# KiCad board eurocard mux.kicad_pcb
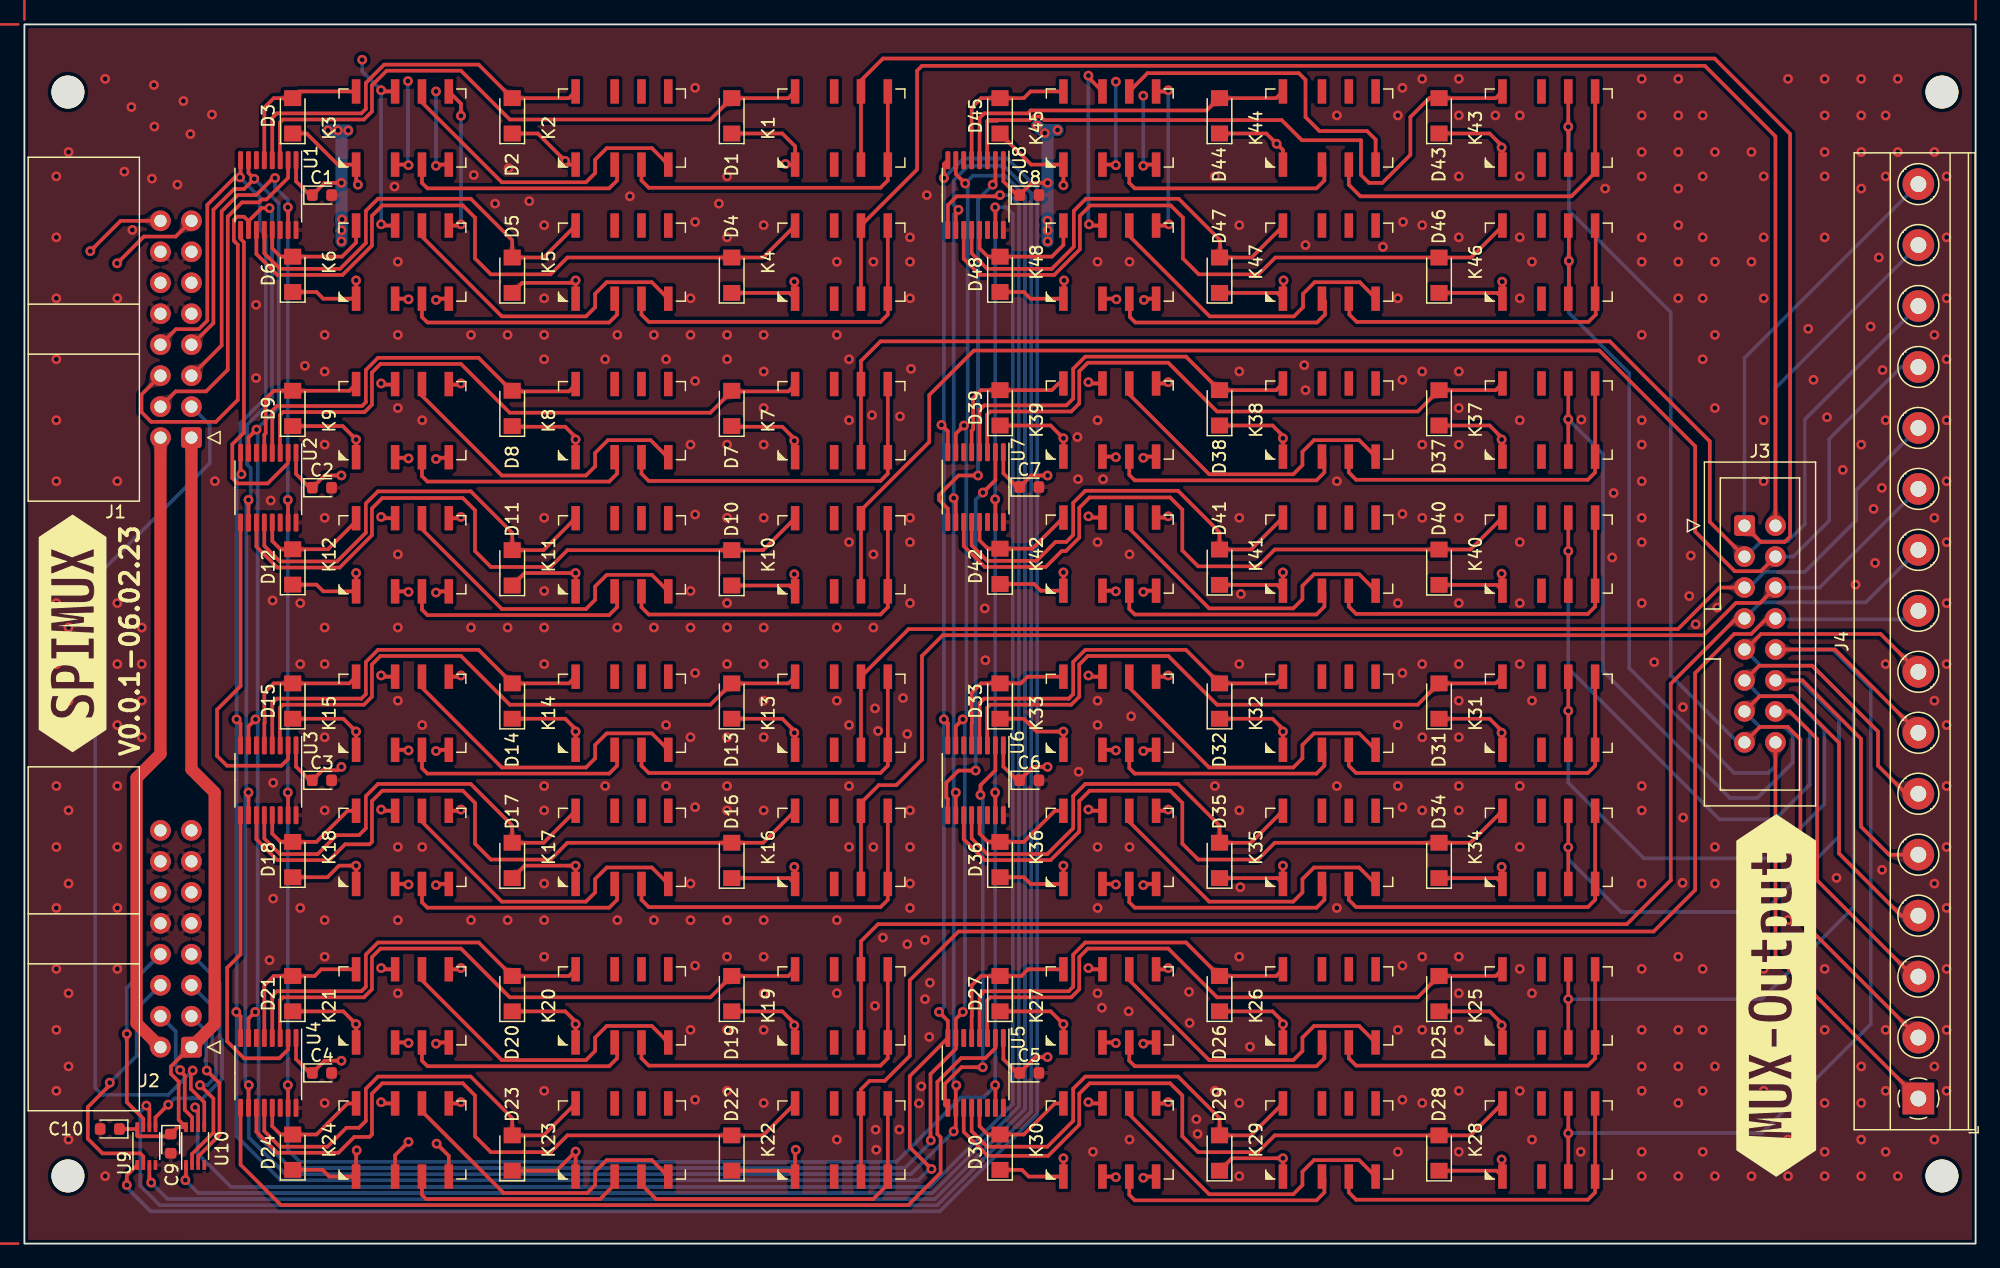
[diagram p0: board, top side]
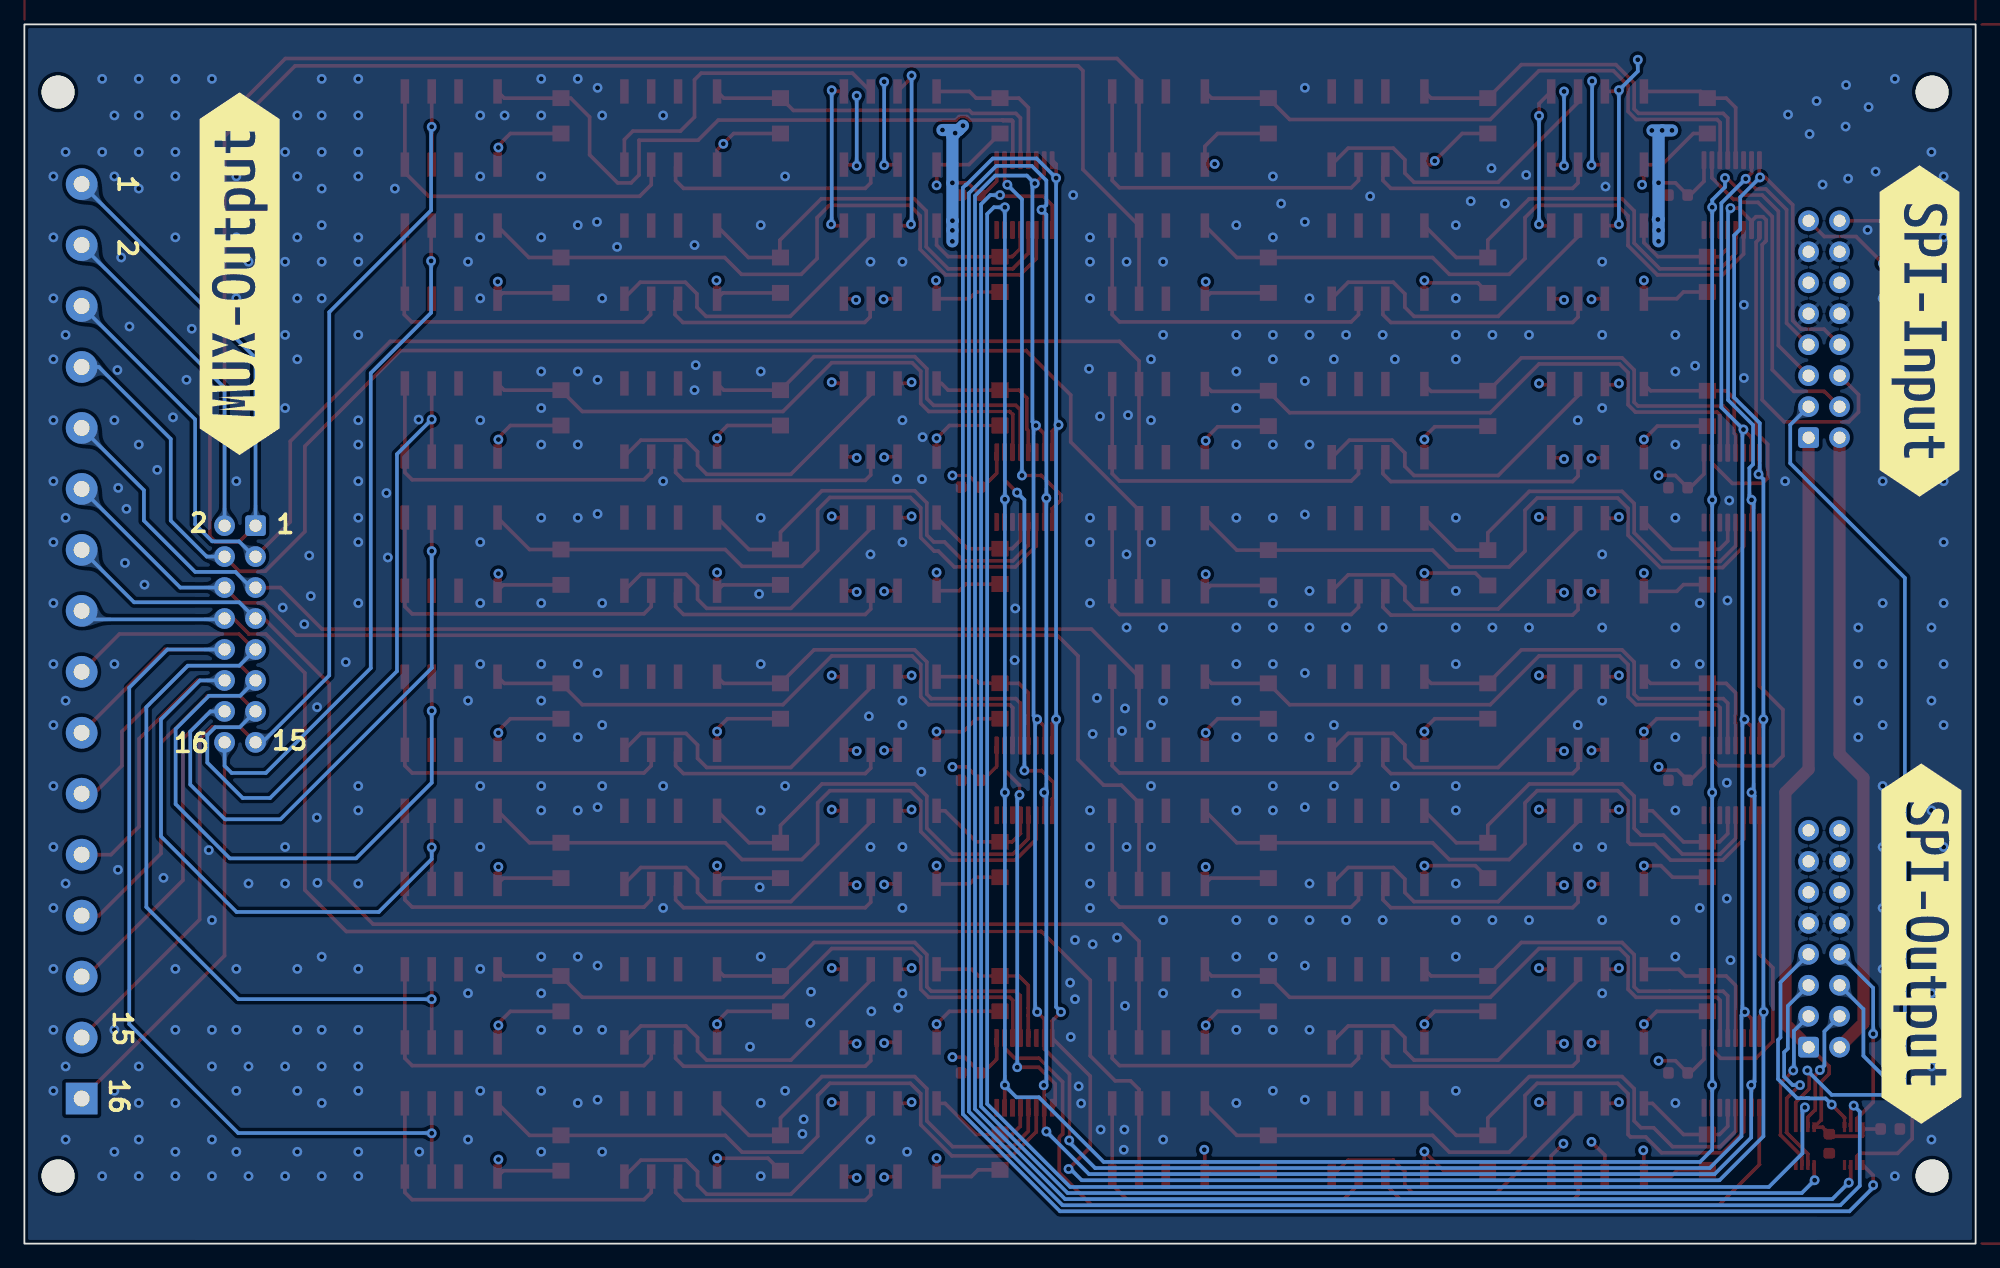
[diagram p1: board, bottom side, seen from below]

Outline 160 x 100 mm; copper layers: Top, In1.Cu, In2.Cu, Bottom. Coordinates in mm from the lower left corner of the outline.
Outline path: rectangle 0,100 160,0
Stack: Top 0.035mm / dielectric 0.48mm FR4 er 4.5 / In1.Cu 0.035mm / dielectric 0.48mm FR4 er 4.5 / In2.Cu 0.035mm / dielectric 0.48mm FR4 er 4.5 / Bottom 0.035mm

## Placement (name value [footprint] x y rotation side)
C1  0.1uF  [D_0603_1608Metric]  24.4 86 0 top
C2  0.1uF  [D_0603_1608Metric]  24.4 62 0 top
C3  0.1uF  [D_0603_1608Metric]  24.4 38 0 top
C4  0.1uF  [D_0603_1608Metric]  24.4 14 0 top
C5  0.1uF  [D_0603_1608Metric]  82.4 14 0 top
C6  0.1uF  [D_0603_1608Metric]  82.4 38 0 top
C7  0.1uF  [D_0603_1608Metric]  82.4 62.05 0 top
C8  0.1uF  [D_0603_1608Metric]  82.4 86 0 top
C9  0.1uF  [D_0603_1608Metric]  12 8.2 270 top
C10  0.1uF  [D_0603_1608Metric]  7 9.4 180 top
D1  DO-219AB  [D_SMF]  58 92.5 90 top
D2  DO-219AB  [D_SMF]  40 92.5 90 top
D3  DO-219AB  [D_SMF]  22 92.5 90 top
D4  DO-219AB  [D_SMF]  58 79.43 90 top
D5  DO-219AB  [D_SMF]  40 79.43 90 top
D6  DO-219AB  [D_SMF]  22 79.5 90 top
D7  DO-219AB  [D_SMF]  58 68.5 90 top
D8  DO-219AB  [D_SMF]  40 68.5 90 top
D9  DO-219AB  [D_SMF]  22 68.5 90 top
D10  DO-219AB  [D_SMF]  58 55.43 90 top
D11  DO-219AB  [D_SMF]  40 55.43 90 top
D12  DO-219AB  [D_SMF]  22 55.5 90 top
D13  DO-219AB  [D_SMF]  58 44.5 90 top
D14  DO-219AB  [D_SMF]  40 44.5 90 top
D15  DO-219AB  [D_SMF]  22 44.5 90 top
D16  DO-219AB  [D_SMF]  58 31.43 90 top
D17  DO-219AB  [D_SMF]  40 31.43 90 top
D18  DO-219AB  [D_SMF]  22 31.5 90 top
D19  DO-219AB  [D_SMF]  58 20.5 90 top
D20  DO-219AB  [D_SMF]  40 20.5 90 top
D21  DO-219AB  [D_SMF]  22 20.5 90 top
D22  DO-219AB  [D_SMF]  58 7.43 90 top
D23  DO-219AB  [D_SMF]  40 7.43 90 top
D24  DO-219AB  [D_SMF]  22 7.5 90 top
D25  DO-219AB  [D_SMF]  116 20.5 90 top
D26  DO-219AB  [D_SMF]  98 20.5 90 top
D27  DO-219AB  [D_SMF]  80 20.5 90 top
D28  DO-219AB  [D_SMF]  116 7.43 90 top
D29  DO-219AB  [D_SMF]  98 7.43 90 top
D30  DO-219AB  [D_SMF]  80 7.5 90 top
D31  DO-219AB  [D_SMF]  116 44.5 90 top
D32  DO-219AB  [D_SMF]  98 44.5 90 top
D33  DO-219AB  [D_SMF]  80 44.5 90 top
D34  DO-219AB  [D_SMF]  116 31.43 90 top
D35  DO-219AB  [D_SMF]  98 31.43 90 top
D36  DO-219AB  [D_SMF]  80 31.5 90 top
D37  DO-219AB  [D_SMF]  116 68.55 90 top
D38  DO-219AB  [D_SMF]  98 68.55 90 top
D39  DO-219AB  [D_SMF]  80 68.55 90 top
D40  DO-219AB  [D_SMF]  116 55.48 90 top
D41  DO-219AB  [D_SMF]  98 55.48 90 top
D42  DO-219AB  [D_SMF]  80 55.55 90 top
D43  DO-219AB  [D_SMF]  116 92.5 90 top
D44  DO-219AB  [D_SMF]  98 92.5 90 top
D45  DO-219AB  [D_SMF]  80 92.5 90 top
D46  DO-219AB  [D_SMF]  116 79.43 90 top
D47  DO-219AB  [D_SMF]  98 79.43 90 top
D48  DO-219AB  [D_SMF]  80 79.5 90 top
J1  Conn_01x16  [IDC-Header_2x08_P2.54mm_Horizontal]  13.7 66.11 180 top
J2  Conn_01x16  [IDC-Header_2x08_P2.54mm_Horizontal]  13.7 16.11 180 top
J3  Conn_01x16  [IDC-Header_2x08_P2.54mm_Vertical]  141.05 58.89 0 top
J4  Screw_Terminal_01x16  [TerminalBlock_Phoenix_MKDS-1,5-16_1x16_P5.00mm_Horizontal]  155.31 11.9 90 top
K1  AGQ200S12Z  [Relay_2P2T_10x6mm_TE_IMxxG]  67 91.5 90 top
K2  AGQ200S12Z  [Relay_2P2T_10x6mm_TE_IMxxG]  49 91.5 90 top
K3  AGQ200S12Z  [Relay_2P2T_10x6mm_TE_IMxxG]  31 91.5 90 top
K4  AGQ200S12Z  [Relay_2P2T_10x6mm_TE_IMxxG]  67 80.5 90 top
K5  AGQ200S12Z  [Relay_2P2T_10x6mm_TE_IMxxG]  49 80.5 90 top
K6  AGQ200S12Z  [Relay_2P2T_10x6mm_TE_IMxxG]  31 80.5 90 top
K7  AGQ200S12Z  [Relay_2P2T_10x6mm_TE_IMxxG]  67 67.5 90 top
K8  AGQ200S12Z  [Relay_2P2T_10x6mm_TE_IMxxG]  49 67.5 90 top
K9  AGQ200S12Z  [Relay_2P2T_10x6mm_TE_IMxxG]  31 67.5 90 top
K10  AGQ200S12Z  [Relay_2P2T_10x6mm_TE_IMxxG]  67 56.5 90 top
K11  AGQ200S12Z  [Relay_2P2T_10x6mm_TE_IMxxG]  49 56.5 90 top
K12  AGQ200S12Z  [Relay_2P2T_10x6mm_TE_IMxxG]  31 56.5 90 top
K13  AGQ200S12Z  [Relay_2P2T_10x6mm_TE_IMxxG]  67 43.5 90 top
K14  AGQ200S12Z  [Relay_2P2T_10x6mm_TE_IMxxG]  49 43.5 90 top
K15  AGQ200S12Z  [Relay_2P2T_10x6mm_TE_IMxxG]  31 43.5 90 top
K16  AGQ200S12Z  [Relay_2P2T_10x6mm_TE_IMxxG]  67 32.5 90 top
K17  AGQ200S12Z  [Relay_2P2T_10x6mm_TE_IMxxG]  49 32.5 90 top
K18  AGQ200S12Z  [Relay_2P2T_10x6mm_TE_IMxxG]  31 32.5 90 top
K19  AGQ200S12Z  [Relay_2P2T_10x6mm_TE_IMxxG]  67 19.5 90 top
K20  AGQ200S12Z  [Relay_2P2T_10x6mm_TE_IMxxG]  49 19.5 90 top
K21  AGQ200S12Z  [Relay_2P2T_10x6mm_TE_IMxxG]  31 19.5 90 top
K22  AGQ200S12Z  [Relay_2P2T_10x6mm_TE_IMxxG]  67 8.5 90 top
K23  AGQ200S12Z  [Relay_2P2T_10x6mm_TE_IMxxG]  49 8.5 90 top
K24  AGQ200S12Z  [Relay_2P2T_10x6mm_TE_IMxxG]  31 8.5 90 top
K25  AGQ200S12Z  [Relay_2P2T_10x6mm_TE_IMxxG]  125 19.5 90 top
K26  AGQ200S12Z  [Relay_2P2T_10x6mm_TE_IMxxG]  107 19.5 90 top
K27  AGQ200S12Z  [Relay_2P2T_10x6mm_TE_IMxxG]  89 19.5 90 top
K28  AGQ200S12Z  [Relay_2P2T_10x6mm_TE_IMxxG]  125 8.5 90 top
K29  AGQ200S12Z  [Relay_2P2T_10x6mm_TE_IMxxG]  107 8.5 90 top
K30  AGQ200S12Z  [Relay_2P2T_10x6mm_TE_IMxxG]  89 8.5 90 top
K31  AGQ200S12Z  [Relay_2P2T_10x6mm_TE_IMxxG]  125 43.5 90 top
K32  AGQ200S12Z  [Relay_2P2T_10x6mm_TE_IMxxG]  107 43.5 90 top
K33  AGQ200S12Z  [Relay_2P2T_10x6mm_TE_IMxxG]  89 43.5 90 top
K34  AGQ200S12Z  [Relay_2P2T_10x6mm_TE_IMxxG]  125 32.5 90 top
K35  AGQ200S12Z  [Relay_2P2T_10x6mm_TE_IMxxG]  107 32.5 90 top
K36  AGQ200S12Z  [Relay_2P2T_10x6mm_TE_IMxxG]  89 32.5 90 top
K37  AGQ200S12Z  [Relay_2P2T_10x6mm_TE_IMxxG]  125 67.55 90 top
K38  AGQ200S12Z  [Relay_2P2T_10x6mm_TE_IMxxG]  107 67.55 90 top
K39  AGQ200S12Z  [Relay_2P2T_10x6mm_TE_IMxxG]  89 67.55 90 top
K40  AGQ200S12Z  [Relay_2P2T_10x6mm_TE_IMxxG]  125 56.55 90 top
K41  AGQ200S12Z  [Relay_2P2T_10x6mm_TE_IMxxG]  107 56.55 90 top
K42  AGQ200S12Z  [Relay_2P2T_10x6mm_TE_IMxxG]  89 56.55 90 top
K43  AGQ200S12Z  [Relay_2P2T_10x6mm_TE_IMxxG]  125 91.5 90 top
K44  AGQ200S12Z  [Relay_2P2T_10x6mm_TE_IMxxG]  107 91.5 90 top
K45  AGQ200S12Z  [Relay_2P2T_10x6mm_TE_IMxxG]  89 91.5 90 top
K46  AGQ200S12Z  [Relay_2P2T_10x6mm_TE_IMxxG]  125 80.5 90 top
K47  AGQ200S12Z  [Relay_2P2T_10x6mm_TE_IMxxG]  107 80.5 90 top
K48  AGQ200S12Z  [Relay_2P2T_10x6mm_TE_IMxxG]  89 80.5 90 top
kibuzzard-63E10DA0  G***  [kibuzzard-63E10DA0]  3.95 50.05 90 top
kibuzzard-63E10DF9  G***  [kibuzzard-63E10DF9]  143.65 20.35 90 top
kibuzzard-63E10DF9#2  G***  [kibuzzard-63E10DF9]  142.35 79.55 90 bottom
kibuzzard-63E10E6D  G***  [kibuzzard-63E10E6D]  4.45 24.6 270 bottom
kibuzzard-63E252FE  G***  [kibuzzard-63E252FE]  4.6 74.85 270 bottom
MH1  -  [MountingHole_2.7mm_M2.5_DIN965]  3.57 94.45 0 top
MH2  -  [MountingHole_2.7mm_M2.5_DIN965]  3.57 5.55 0 top
MH3  -  [MountingHole_2.7mm_M2.5_DIN965]  157.24 94.45 0 top
MH4  -  [MountingHole_2.7mm_M2.5_DIN965]  157.24 5.55 0 top
U1  TPIC6C596  [TSSOP-16_4.4x5mm_P0.65mm]  20 86 270 top
U2  TPIC6C596  [TSSOP-16_4.4x5mm_P0.65mm]  20 62 270 top
U3  TPIC6C596  [TSSOP-16_4.4x5mm_P0.65mm]  20 38 270 top
U4  TPIC6C596  [TSSOP-16_4.4x5mm_P0.65mm]  20 14 270 top
U5  TPIC6C596  [TSSOP-16_4.4x5mm_P0.65mm]  78 14 270 top
U6  TPIC6C596  [TSSOP-16_4.4x5mm_P0.65mm]  78 38 270 top
U7  TPIC6C596  [TSSOP-16_4.4x5mm_P0.65mm]  78 62.05 270 top
U8  TPIC6C596  [TSSOP-16_4.4x5mm_P0.65mm]  78 86 270 top
U9  SN74LVC3G34DCUR  [VSSOP-8_2.3x2mm_P0.5mm]  10 8 90 top
U10  SN74LVC3G34DCUR  [VSSOP-8_2.3x2mm_P0.5mm]  14 8 90 top

## Library data of the parts
C1-C10 = -: Digikey: CL10B104KB8NFNC; LCSC Part #: CL10B104KB8NFNC
D1-D48 = -: Digikey: S1FLM-GS18; LCSC Part #: S1FLM-GS18
J1-J3 = -: Digikey: 3020-16-0200-00; LCSC Part #: 3020-16-0200-00
J4 = -: Digikey: TB003-500-P16BE; LCSC Part #: TB003-500-P16BE
U1-U8 = -: Digikey: TPIC6C596PWR; LCSC Part #: TPIC6C596PWR

## Footprints (pads in the part's own frame, mm; a bottom-side part is the same pattern mirrored in y, then rotated)
D_0603_1608Metric
  rrect 0.875x0.95 smd: 1(-0.787,0) 2(0.787,0)
D_SMF
  rect 1.3x1.4 smd: 1(-1.45,0) 2(1.45,0)
IDC-Header_2x08_P2.54mm_Horizontal
  rrect 1.7x1.7 hole 1: 1(0,0)
  round 1.7 hole 1: 2(2.54,0) 3(0,-2.54) 4(2.54,-2.54) 5(0,-5.08) 6(2.54,-5.08) 7(0,-7.62) 8(2.54,-7.62) 9(0,-10.16) 10(2.54,-10.16) 11(0,-12.7) 12(2.54,-12.7) 13(0,-15.24) 14(2.54,-15.24) 15(0,-17.78) 16(2.54,-17.78)
IDC-Header_2x08_P2.54mm_Vertical
  rrect 1.7x1.7 hole 1: 1(0,0)
  round 1.7 hole 1: 2(2.54,0) 3(0,-2.54) 4(2.54,-2.54) 5(0,-5.08) 6(2.54,-5.08) 7(0,-7.62) 8(2.54,-7.62) 9(0,-10.16) 10(2.54,-10.16) 11(0,-12.7) 12(2.54,-12.7) 13(0,-15.24) 14(2.54,-15.24) 15(0,-17.78) 16(2.54,-17.78)
MountingHole_2.7mm_M2.5_DIN965
  round 2.7 hole 2.7 unplated: (0,0)
Relay_2P2T_10x6mm_TE_IMxxG
  rect 2x0.7 smd: 1(-3,3.8) 2(-3,0.6) 3(-3,-1.6) 4(-3,-3.8) 5(3,-3.8) 6(3,-1.6) 7(3,0.6) 8(3,3.8)
TerminalBlock_Phoenix_MKDS-1,5-16_1x16_P5.00mm_Horizontal
  rect 2.6x2.6 hole 1.3: 1(0,0)
  round 2.6 hole 1.3: 2(5,0) 3(10,0) 4(15,0) 5(20,0) 6(25,0) 7(30,0) 8(35,0) 9(40,0) 10(45,0) 11(50,0) 12(55,0) 13(60,0) 14(65,0) 15(70,0) 16(75,0)
TSSOP-16_4.4x5mm_P0.65mm
  rrect 1.475x0.4 smd: 1(-2.862,2.275) 2(-2.862,1.625) 3(-2.862,0.975) 4(-2.862,0.325) 5(-2.862,-0.325) 6(-2.862,-0.975) 7(-2.862,-1.625) 8(-2.862,-2.275) 9(2.862,-2.275) 10(2.862,-1.625) 11(2.862,-0.975) 12(2.862,-0.325) 13(2.862,0.325) 14(2.862,0.975) 15(2.862,1.625) 16(2.862,2.275)
VSSOP-8_2.3x2mm_P0.5mm
  rect 0.8x0.3 smd: 1(-1.55,0.75) 2(-1.55,0.25) 3(-1.55,-0.25) 4(-1.55,-0.75) 5(1.55,-0.75) 6(1.55,-0.25) 7(1.55,0.25) 8(1.55,0.75)

## Nets
+5V: C1.1 C2.1 C3.1 C4.1 C5.1 C6.1 C7.1 C8.1 C9.1 C10.1 J1.1 J2.1 U1.1 U2.1 U3.1 U4.1 U5.1 U6.1 U7.1 U8.1 U9.8 U10.8
+12V: D1.1 D2.1 D3.1 D4.1 D5.1 D6.1 D7.1 D8.1 D9.1 D10.1 D11.1 D12.1 D13.1 D14.1 D15.1 D16.1 D17.1 D18.1 D19.1 D20.1 D21.1 D22.1 D23.1 D24.1 D25.1 D26.1 D27.1 D28.1 D29.1 D30.1 D31.1 D32.1 D33.1 D34.1 D35.1 D36.1 D37.1 D38.1 D39.1 D40.1 D41.1 D42.1 D43.1 D44.1 D45.1 D46.1 D47.1 D48.1 J1.2 J2.2 K1.1 K2.1 K3.1 K4.1 K5.1 K6.1 K7.1 K8.1 K9.1 K10.1 K11.1 K12.1 K13.1 K14.1 K15.1 K16.1 K17.1 K18.1 K19.1 K20.1 K21.1 K22.1 K23.1 K24.1 K25.1 K26.1 K27.1 K28.1 K29.1 K30.1 K31.1 K32.1 K33.1 K34.1 K35.1 K36.1 K37.1 K38.1 K39.1 K40.1 K41.1 K42.1 K43.1 K44.1 K45.1 K46.1 K47.1 K48.1
/buffer/device_enable_conn: J2.8 U9.7
/buffer/serial_clock_conn: J2.5 U10.2
/buffer/serial_out_conn: J2.4 U10.7
/buffer/Serial_return_conn: J2.3 U10.3
/buffer/synch_clr_conn: J2.7 U9.5
/buffer/transf_out_conn: J2.6 U9.2
/Relay_group1/Relays1/ai/pow: D2.2 K2.8 U1.4
/Relay_group1/Relays1/in/out: D3.2 K3.8 U1.5
/Relay_group1/Relays1/on/off: D1.2 K1.8 U1.3
/Relay_group1/Relays2/ai/pow: D5.2 K5.8 U1.12
/Relay_group1/Relays2/in/out: D6.2 K6.8 U1.13
/Relay_group1/Relays2/on/off: D4.2 K4.8 U1.11
/Relay_group1/serial_out: U1.9 U2.2
/Relay_group2/Relays1/ai/pow: D8.2 K8.8 U2.4
/Relay_group2/Relays1/in/out: D9.2 K9.8 U2.5
/Relay_group2/Relays1/on/off: D7.2 K7.8 U2.3
/Relay_group2/Relays2/ai/pow: D11.2 K11.8 U2.12
/Relay_group2/Relays2/in/out: D12.2 K12.8 U2.13
/Relay_group2/Relays2/on/off: D10.2 K10.8 U2.11
/Relay_group2/serial_out: U2.9 U3.2
/Relay_group3/Relays1/ai/pow: D14.2 K14.8 U3.4
/Relay_group3/Relays1/in/out: D15.2 K15.8 U3.5
/Relay_group3/Relays1/on/off: D13.2 K13.8 U3.3
/Relay_group3/Relays2/ai/pow: D17.2 K17.8 U3.12
/Relay_group3/Relays2/in/out: D18.2 K18.8 U3.13
/Relay_group3/Relays2/on/off: D16.2 K16.8 U3.11
/Relay_group3/serial_out: U3.9 U4.2
/Relay_group4/Relays1/ai/pow: D20.2 K20.8 U4.4
/Relay_group4/Relays1/in/out: D21.2 K21.8 U4.5
/Relay_group4/Relays1/on/off: D19.2 K19.8 U4.3
/Relay_group4/Relays2/ai/pow: D23.2 K23.8 U4.12
/Relay_group4/Relays2/in/out: D24.2 K24.8 U4.13
/Relay_group4/Relays2/on/off: D22.2 K22.8 U4.11
/Relay_group4/serial_out: U4.9 U5.2
/Relay_group5/Relays1/ai/pow: D26.2 K26.8 U5.4
/Relay_group5/Relays1/in/out: D27.2 K27.8 U5.5
/Relay_group5/Relays1/on/off: D25.2 K25.8 U5.3
/Relay_group5/Relays2/ai/pow: D29.2 K29.8 U5.12
/Relay_group5/Relays2/in/out: D30.2 K30.8 U5.13
/Relay_group5/Relays2/on/off: D28.2 K28.8 U5.11
/Relay_group5/serial_out: U5.9 U6.2
/Relay_group6/Relays1/ai/pow: D32.2 K32.8 U6.4
/Relay_group6/Relays1/in/out: D33.2 K33.8 U6.5
/Relay_group6/Relays1/on/off: D31.2 K31.8 U6.3
/Relay_group6/Relays2/ai/pow: D35.2 K35.8 U6.12
/Relay_group6/Relays2/in/out: D36.2 K36.8 U6.13
/Relay_group6/Relays2/on/off: D34.2 K34.8 U6.11
/Relay_group6/serial_out: U6.9 U7.2
/Relay_group7/Relays1/ai/pow: D38.2 K38.8 U7.4
/Relay_group7/Relays1/in/out: D39.2 K39.8 U7.5
/Relay_group7/Relays1/on/off: D37.2 K37.8 U7.3
/Relay_group7/Relays2/ai/pow: D41.2 K41.8 U7.12
/Relay_group7/Relays2/in/out: D42.2 K42.8 U7.13
/Relay_group7/Relays2/on/off: D40.2 K40.8 U7.11
/Relay_group7/serial_out: U7.9 U8.2
/Relay_group8/Relays1/ai/pow: D44.2 K44.8 U8.4
/Relay_group8/Relays1/in/out: D45.2 K45.8 U8.5
/Relay_group8/Relays1/on/off: D43.2 K43.8 U8.3
/Relay_group8/Relays2/ai/pow: D47.2 K47.8 U8.12
/Relay_group8/Relays2/in/out: D48.2 K48.8 U8.13
/Relay_group8/Relays2/on/off: D46.2 K46.8 U8.11
analog_n: J1.16 J2.16 K3.2 K6.2 K9.2 K12.2 K15.2 K18.2 K21.2 K24.2 K27.2 K30.2 K33.2 K36.2 K39.2 K42.2 K45.2 K48.2
analog_p: J1.15 J2.15 K3.4 K6.4 K9.4 K12.4 K15.4 K18.4 K21.4 K24.4 K27.4 K30.4 K33.4 K36.4 K39.4 K42.4 K45.4 K48.4
CH_1: J3.1 J4.16 K1.3 K1.6
CH_2: J3.2 J4.15 K4.3 K4.6
CH_3: J3.3 J4.14 K7.3 K7.6
CH_4: J3.4 J4.13 K10.3 K10.6
CH_5: J3.5 J4.12 K13.3 K13.6
CH_6: J3.6 J4.11 K16.3 K16.6
CH_7: J3.7 J4.10 K19.3 K19.6
CH_8: J3.8 J4.9 K22.3 K22.6
CH_9: J3.9 J4.8 K25.3 K25.6
CH_10: J3.10 J4.7 K28.3 K28.6
CH_11: J3.11 J4.6 K31.3 K31.6
CH_12: J3.12 J4.5 K34.3 K34.6
CH_13: J3.13 J4.4 K37.3 K37.6
CH_14: J3.14 J4.3 K40.3 K40.6
CH_15: J3.15 J4.2 K43.3 K43.6
CH_16: J3.16 J4.1 K46.3 K46.6
device_enable: J1.8 U1.8 U2.8 U3.8 U4.8 U5.8 U6.8 U7.8 U8.8 U9.1
Earth: C1.2 C2.2 C3.2 C4.2 C5.2 C6.2 C7.2 C8.2 C9.2 C10.2 J1.9 J1.10 J1.13 J1.14 J2.9 J2.10 J2.13 J2.14 U1.16 U2.16 U3.16 U4.16 U5.16 U6.16 U7.16 U8.16 U9.4 U10.4
output_n: J1.12 J2.12 K3.7 K6.7 K9.7 K12.7 K15.7 K18.7 K21.7 K24.7 K27.7 K30.7 K33.7 K36.7 K39.7 K42.7 K45.7 K48.7
output_p: J1.11 J2.11 K3.5 K6.5 K9.5 K12.5 K15.5 K18.5 K21.5 K24.5 K27.5 K30.5 K33.5 K36.5 K39.5 K42.5 K45.5 K48.5
serial_clock: J1.5 U1.15 U2.15 U3.15 U4.15 U5.15 U6.15 U7.15 U8.15 U10.6
serial_in: J1.4 U1.2
serial_out: U8.9 U10.1
serial_return: J1.3 U10.5
synchronous_clear: J1.7 U1.7 U2.7 U3.7 U4.7 U5.7 U6.7 U7.7 U8.7 U9.3
transfer: J1.6 U1.10 U2.10 U3.10 U4.10 U5.10 U6.10 U7.10 U8.10 U9.6
Net-(K1-Pad4): K1.4 K1.5 K2.3
Net-(K2-Pad2): K2.2 K3.3
Net-(K2-Pad4): K2.4 K3.6
Net-(K4-Pad4): K4.4 K4.5 K5.3
Net-(K5-Pad2): K5.2 K6.3
Net-(K5-Pad4): K5.4 K6.6
Net-(K7-Pad4): K7.4 K7.5 K8.3
Net-(K8-Pad2): K8.2 K9.3
Net-(K8-Pad4): K8.4 K9.6
Net-(K10-Pad4): K10.4 K10.5 K11.3
Net-(K11-Pad2): K11.2 K12.3
Net-(K11-Pad4): K11.4 K12.6
Net-(K13-Pad4): K13.4 K13.5 K14.3
Net-(K14-Pad2): K14.2 K15.3
Net-(K14-Pad4): K14.4 K15.6
Net-(K16-Pad4): K16.4 K16.5 K17.3
Net-(K17-Pad2): K17.2 K18.3
Net-(K17-Pad4): K17.4 K18.6
Net-(K19-Pad4): K19.4 K19.5 K20.3
Net-(K20-Pad2): K20.2 K21.3
Net-(K20-Pad4): K20.4 K21.6
Net-(K22-Pad4): K22.4 K22.5 K23.3
Net-(K23-Pad2): K23.2 K24.3
Net-(K23-Pad4): K23.4 K24.6
Net-(K25-Pad4): K25.4 K25.5 K26.3
Net-(K26-Pad2): K26.2 K27.3
Net-(K26-Pad4): K26.4 K27.6
Net-(K28-Pad4): K28.4 K28.5 K29.3
Net-(K29-Pad2): K29.2 K30.3
Net-(K29-Pad4): K29.4 K30.6
Net-(K31-Pad4): K31.4 K31.5 K32.3
Net-(K32-Pad2): K32.2 K33.3
Net-(K32-Pad4): K32.4 K33.6
Net-(K34-Pad4): K34.4 K34.5 K35.3
Net-(K35-Pad2): K35.2 K36.3
Net-(K35-Pad4): K35.4 K36.6
Net-(K37-Pad4): K37.4 K37.5 K38.3
Net-(K38-Pad2): K38.2 K39.3
Net-(K38-Pad4): K38.4 K39.6
Net-(K40-Pad4): K40.4 K40.5 K41.3
Net-(K41-Pad2): K41.2 K42.3
Net-(K41-Pad4): K41.4 K42.6
Net-(K43-Pad4): K43.4 K43.5 K44.3
Net-(K44-Pad2): K44.2 K45.3
Net-(K44-Pad4): K44.4 K45.6
Net-(K46-Pad4): K46.4 K46.5 K47.3
Net-(K47-Pad2): K47.2 K48.3
Net-(K47-Pad4): K47.4 K48.6

Pads without a net: K1 2 7; K2 5 6 7; K4 2 7; K5 5 6 7; K7 2 7; K8 5 6 7; K10 2 7; K11 5 6 7; K13 2 7; K14 5 6 7; K16 2 7; K17 5 6 7; K19 2 7; K20 5 6 7; K22 2 7; K23 5 6 7; K25 2 7; K26 5 6 7; K28 2 7; K29 5 6 7; K31 2 7; K32 5 6 7; K34 2 7; K35 5 6 7; K37 2 7; K38 5 6 7; K40 2 7; K41 5 6 7; K43 2 7; K44 5 6 7; K46 2 7; K47 5 6 7; U1 6 14; U2 6 14; U3 6 14; U4 6 14; U5 6 14; U6 6 14; U7 6 14; U8 6 14

## Via types
v1: diameter 0.8, hole 0.4, Top to Bottom, 680 vias

## Routing (per net, layer and track width the routed paths; a pad name or vN(x,y) marks a point on that pad's centre or on a via; arc(x,y) is an arc through that point)
+5V: length 373.1
  Top w0.3: v1(83.9,39.1) 82.71,39.1 C6.1 81.4,38 80.28,39.12 U6.1 ; U8.1 80.28,87.12 81.4,86 C8.1 82.62,87 v1(83.9,87) ; C10.1 9.1,9.4 U9.8 9.25,8.85 9.3,8.8 11.81,8.8 C9.1 12.56,9.55 U10.8 12.65,10.15 12.65,13.29 12.02,13.92 12.02,14.54 13.59,16.11 J2.1 ; v1(26,63) 24.62,63 C2.1 23.4,62 22.28,63.12 U2.1 ; v1(83.9,63) 82.56,63 C7.1 81.4,62.05 80.28,63.17 U7.1 ; U3.1 22.28,39.12 23.4,38 C3.1 24.44,38.83 25.72,38.83 v1(26,39.1) ; U5.1 80.28,15.12 81.4,14 C5.1 82.91,15.3 v1(83.9,15.3) ; v1(26,87.01) 25.99,87 24.61,87 C1.1 23.4,86 22.28,87.12 U1.1 ; v1(26,15) 24.61,15 C4.1 23.4,14 22.28,15.12 U4.1
  Top w1: J1.1 13.7,38.9 15.6,37 15.6,18.01 J2.1
  In2.Cu w1: v1(84.72,91.33) 83.93,91.33 v1(83.68,91.08) 83.65,91.08 v1(83.04,91.69) 82.64,91.3 v1(26.55,91.3) 17,91.3 14.96,89.26 14.96,86.46 16.03,85.39 16.03,68.44 J1.1 ; v1(83.9,15.3) v1(83.9,39.1) v1(83.9,63) v1(83.9,83.9) ; 26.5,91.3 v1(24.9,91.3) ; v1(26,15) 26,15 v1(26,39.1) v1(26,63) 26,83.95 v1(26.05,84)
  Bottom w1: 25.7,91.3 26,91 v1(26,87.01) 26,84.05 v1(26.05,84) 26,83.95 v1(26,83.11) v1(26,82.21) ; v1(24.9,91.3) v1(25.7,91.3) 26.5,91.3 ; v1(83.68,91.08) 83.9,90.85 v1(83.9,87) 83.9,83.9 v1(83.9,83.9) 83.9,83.9 v1(83.9,83.1) v1(83.9,82.2) ; v1(83.04,91.69) 83.39,91.33 v1(84.72,91.33)
+12V: length 1067.5
  Top w0.3: D29.1 99.02,7 v1(103.2,7) K29.1 ; 63.2,55 K10.1 ; K10.1 62.72,53.98 D10.1 ; K10.1 63.2,54.83 v1(63.13,54.9) ; K23.1 v1(45.2,7.55) 43.63,5.98 D23.1 ; D30.1 81.8,6.05 82.35,5.5 K30.1 v1(85.2,7) ; v1(121.13,6.9) 121.2,6.83 K28.1 ; v1(103.2,55.05) K41.1 102.72,54.03 D41.1 ; K4.1 63.2,78.83 v1(63.13,78.9) ; K4.1 63.2,79 ; K4.1 62.72,77.98 D4.1 ; K21.1 v1(27.2,18) 26.15,19.05 D21.1 ; D31.1 120.15,43.05 121.2,42 K31.1 121.2,41.83 v1(121.13,41.9) ; 116.05,77.98 120.77,77.98 121.25,77.5 ; v1(63.13,65.85) 63.2,65.78 63.2,64.45 63.2,65.95 62.15,67 58,67 ; K27.1 v1(85.2,18) 84.15,19.05 D27.1 ; 121.25,77.5 121.25,79 ; 121.25,77.5 121.25,78.83 v1(121.18,78.9) ; v1(27.2,55) K12.1 24.5,53.5 23.95,54.05 D12.1 ; D42.1 82.8,54.1 83.35,53.55 K42.1 v1(85.2,55.05) ; K33.1 v1(85.2,42) 83,42 81.95,43.05 D33.1 ; K28.1 121.2,7 ; K28.1 120.72,5.98 D28.1 ; v1(103.2,31) K35.1 102.72,29.98 D35.1 ; K40.1 121.2,54.88 v1(121.13,54.95) ; K40.1 121.2,55.05 ; K40.1 120.72,54.03 D40.1 ; D25.1 120.15,19.05 121.2,18 K25.1 121.2,17.83 v1(121.13,17.9) ; v1(63.13,30.9) 63.2,30.83 K16.1 ; D24.1 24.45,6.05 25,5.5 K24.1 27.2,7.6 v1(27.25,7.65) ; D2.1 42.1,91.05 v1(44.35,88.8) 44.65,88.5 K2.1 ; D13.1 62.15,43.05 63.2,42 K13.1 63.2,41.83 v1(63.13,41.9) ; D15.1 26.15,43.05 v1(27.2,42) K15.1 ; K16.1 63.2,31 ; K16.1 62.72,29.98 D16.1 ; v1(63.25,7.7) 63.2,7.65 K22.1 62.72,5.98 D22.1 ; K38.1 v1(103.2,66.05) 103.2,66.25 102.35,67.1 D38.1 ; D34.1 120.72,29.98 K34.1 ; v1(85.2,31) K36.1 82.5,29.5 81.96,30.05 D36.1 ; 103.25,77.5 v1(103.25,79) ; v1(85.2,86.8) K45.1 82.55,88.5 D45.1 ; D44.1 101.84,91.05 v1(102.69,90.2) 103.2,89.69 K44.1 ; K26.1 v1(103.2,18) 103.2,18.2 102.35,19.05 D26.1 ; K5.1 v1(45.2,79) 45,78.8 40.82,78.8 D5.1 ; v1(27.35,86.85) 27.2,87 K3.1 25.7,88.5 23.15,91.05 D3.1 ; D20.1 44.35,19.05 45.2,18.2 v1(45.2,18) K20.1 ; K17.1 v1(45.2,31) 41.02,31 D17.1 ; 45.2,64.45 v1(45.2,65.95) 45.2,66.15 44.35,67 40,67 ; K11.1 v1(45.2,55) 41.02,55 D11.1 ; D19.1 62.15,19.05 63.2,18 K19.1 63.2,17.83 v1(63.13,17.9) ; v1(121.13,30.9) 121.2,30.83 K34.1 ; v1(62.4,88.55) 62.45,88.5 K1.1 63.2,90 62.15,91.05 D1.1 ; D6.1 23.95,78.05 24.5,77.5 K6.1 v1(27.2,79) ; K34.1 121.2,31 ; D43.1 120.15,91.05 121.2,90 K43.1 121.2,89.83 v1(121.13,89.9) ; D18.1 24.85,30.05 25.8,31 v1(27.2,31) K18.1 ; D39.1 84.15,67.1 v1(85.2,66.05) K39.1 ; D32.1 102.35,43.05 103.2,42.2 v1(103.2,42) K32.1 ; K48.1 82.5,77.5 81.96,78.05 D48.1 ; 27.2,64.45 v1(27.2,65.95) 26.1,67.05 D9.1 ; 85.25,77.5 v1(85.25,79) ; v1(121.13,65.95) 121.2,65.88 K37.1 121.2,66.05 120.15,67.1 D37.1 ; K47.1 102.72,77.98 D47.1 ; D14.1 44.35,43.05 45.2,42.2 v1(45.2,42) K14.1
  Top w1: J2.2 9.2,18.07 9.2,38.2 11.16,40.16 J1.2
  In2.Cu w1: J1.2 11.16,64.91 11.77,64.3 15.3,64.3 17.22,66.22 17.22,85.99 16.16,87.06 16.16,88.16 17.9,89.9 27.25,89.9 ; 27.25,89.9 27.35,89.8 27.35,88.3 ; 27.25,89.9 44.3,89.9 ; 44.3,89.9 44.3,88.85 v1(44.35,88.8) ; 44.3,89.9 45.35,89.9 ; 103.2,19.6 v1(103.2,7) ; 103.2,19.6 v1(103.2,18) ; 103.2,19.6 103.2,89.9 ; 62.5,89.9 62.5,88.65 v1(62.4,88.55) ; 62.5,89.9 63.3,89.9 ; 62.5,89.9 45.35,89.9 ; 63.3,89.9 63.3,7.75 v1(63.25,7.7) ; 63.3,89.9 63.32,89.88 85.18,89.88 85.2,89.9 ; v1(27.25,7.65) 27.35,7.75 27.35,88.3 ; 85.2,88.85 v1(85.2,7) ; 85.2,88.85 v1(85.2,86.8) ; 85.2,88.85 85.2,89.9 ; 101.25,89.9 102.38,89.9 v1(102.69,90.2) 102.69,79.56 v1(103.25,79) ; 101.25,89.9 103.2,89.9 ; 101.25,89.9 85.2,89.9 ; 27.35,88.3 v1(27.35,86.85) ; 120.3,89.9 121.25,88.95 121.25,7.02 v1(121.13,6.9) ; 120.3,89.9 v1(121.13,89.9) ; 120.3,89.9 103.2,89.9 ; v1(45.2,7.55) 45.35,7.7 45.35,89.9